# KiCad board cell-sim.kicad_pcb (continued)
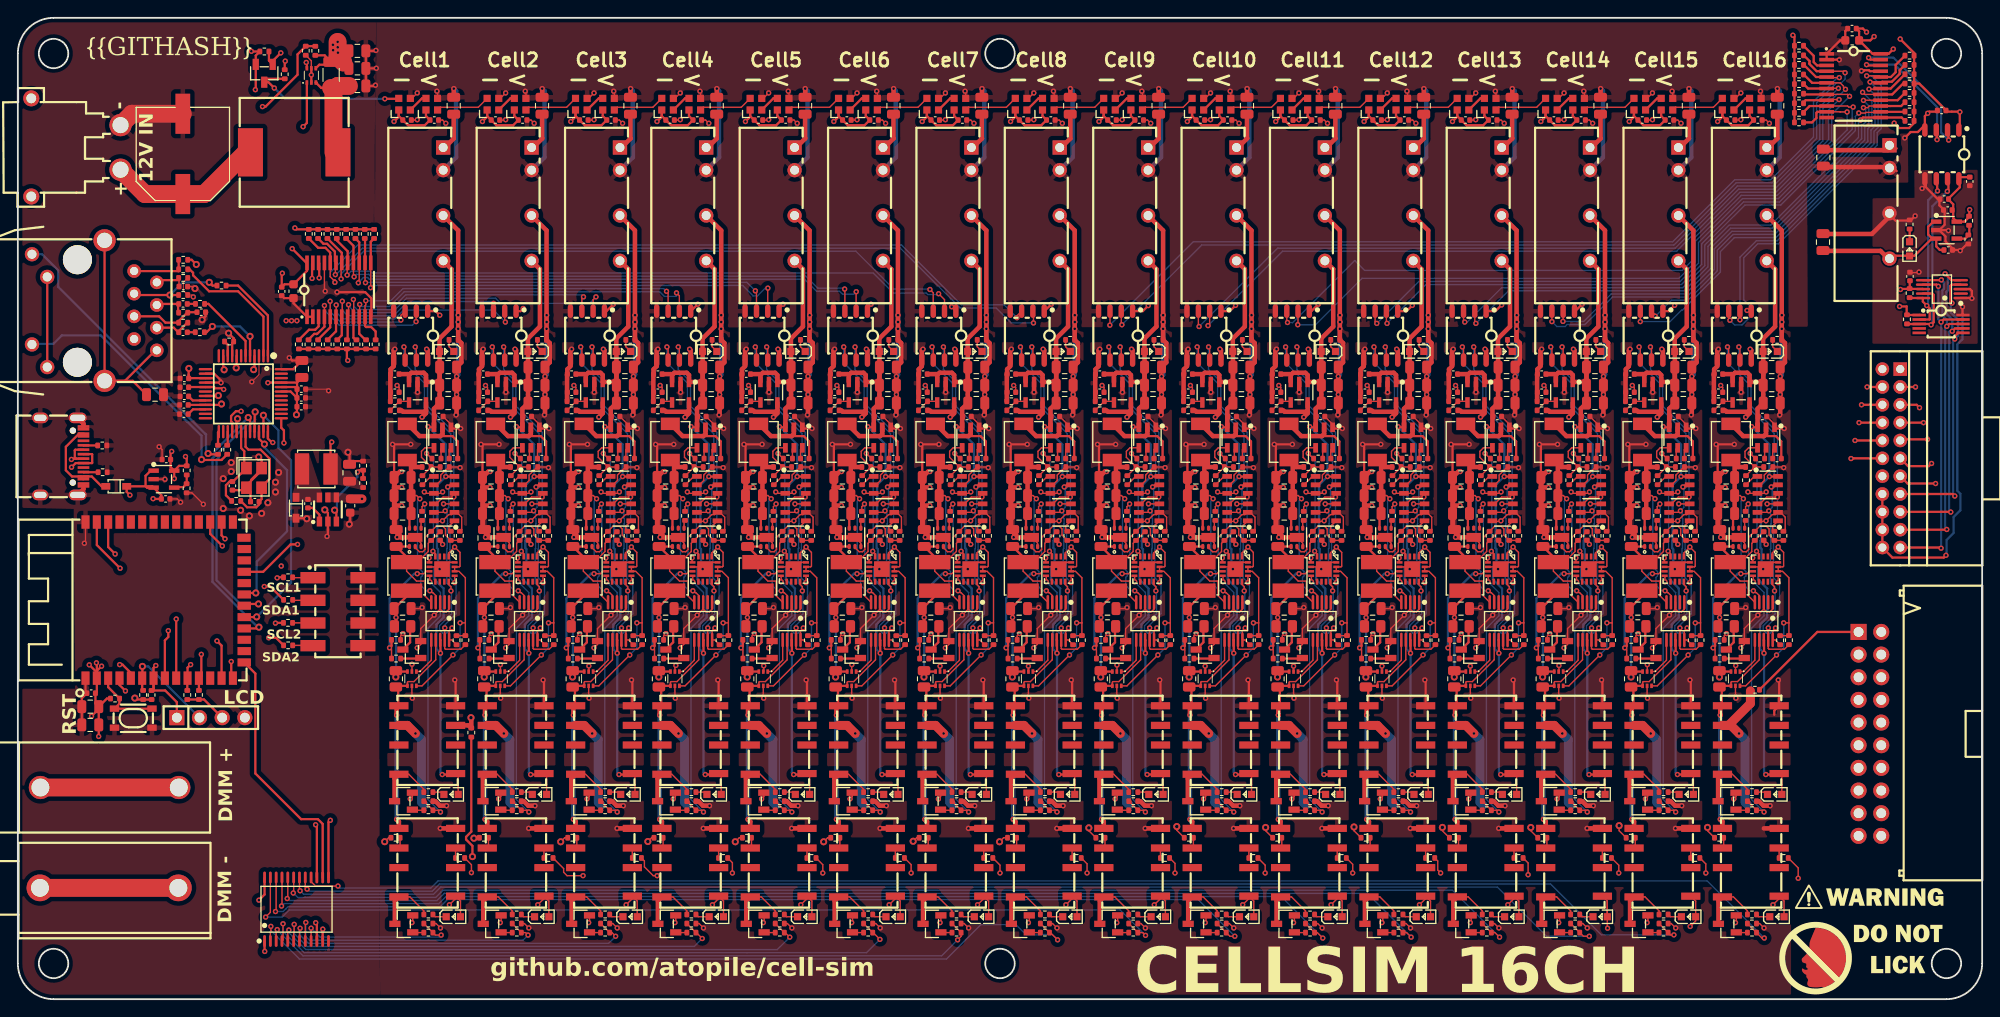
[diagram p0: board, top side]
## Routing (per net, layer and track width the routed paths; a pad name or vN(x,y) marks a point on that pad's centre or on a via; arc(x,y) is an arc through that point) (continued)
  Bottom w0.25: v2(42.35,42.78) 42.35,36.13 v1(42.33,36.11)
  Bottom w0.5: v2(59.22,76.67) 59.22,69.99 v2(59.04,69.81)
  vias: v2(59.21,75.14)
CELL1_GND: length 108.8
  Top w0.15: U24.2 46.87,57.65 47.36,58.14 47.36,58.75 48.26,59.65 R72.2 49.46,59.65 v2(49.53,59.58) ; v2(44.14,37.54) 44.14,36.73 U28.2 ; v2(47.24,48.21) 47.65,48.21 48.4,48.96 U31.16 48.26,48.96 U31.17 47.26,48.46 U31.6 ; C45.2 48.51,64.44 U25.1 ; v2(43.13,40.98) 42.87,40.72 R86.2 ; U23.1 48.3,43.73 47.98,43.4 47.63,43.4 47.3,43.73 U23.3 47.3,43.72 v2(46.63,43.05) 45.12,41.54 Q3.2 45.12,39.77 v2(44.73,39.38) ; v2(47.57,50.98) 47.3,51.25 47.3,51.44 ; C42.2 v2(49.14,69.81) ; v2(44.18,33.74) 44.13,33.78 U28.5 ; v2(42.48,51.78) 42.37,51.88 C51.2 42.37,58.25 C48.2 42.33,58.48 ; 42.37,55.33 42.14,55.1 C47.2 ; v2(45.27,43.9) 45.15,43.78 C52.2 ; C44.2 49.14,67.78 v2(49.14,67.78) ; U27.7 45.16,51.11 U27.3 ; U26.6 46.6,53.61 46.54,53.55 47.49,53.55 v2(47.56,53.62) 48.25,54.32 48.57,54.32 48.83,54.57 U26.2 49.17,54.57 49.71,54.03 49.71,52.65 R76.2 ; C46.2 42.14,56.52 ; v2(43.95,22.45) 44.19,22.69 Q1.2 ; 49.14,65.55 v2(49.08,65.49)
  Top w0.25: v2(48.93,35.78) 49.03,35.69 U29.4 ; U25.1 48.64,63.97 v2(49.59,63.97) ; C48.2 42.14,62.02 v2(41.97,62.19) v2(44,62.19)
  Top w0.5: C48.2 42.14,52.61 42.99,51.76 ; v2(42.22,72.86) 42.09,72.73 U32.5 42.09,70.95 41.74,70.6 C55.2 41.71,70.03 R91.2 ; 42.99,51.76 U27.7 ; 42.99,51.76 42.49,51.76 v2(42.48,51.78) ; U30.4 v2(47.31,19.14) ; v2(42.99,59.14) 42.8,59.14 42.33,58.67 42.33,58.48 ; v2(48.01,21.68) 47.27,21.68 46.76,22.19 R81.2 ; 49.32,76.67 49.32,86.17 U22.4 ; 49.32,76.67 v2(49.32,76.67) ; 49.32,76.67 49.32,75.91 ; v2(42.99,57.36) 42.14,57.36 42.14,56.52 ; U35.2 v2(44.76,68.03) ; 49.32,75.91 v2(49.32,75.91) ; 49.32,75.91 R69.2 49.68,73.54 49.68,71.38 C42.2 ; 42.37,55.33 v2(42.99,55.33) ; v2(49.14,69.81) v2(49.14,67.78) C43.2 49.14,65.55
  In1.Cu w0.15: v2(44.18,33.74) 44.14,33.77
  In1.Cu w1: 44.14,33.77 v2(44.14,37.54)
  Bottom w0.5: v2(49.32,76.67) 49.32,69.99 v2(49.14,69.81)
  vias: v2(49.32,75.14)
CELL1_I2C_SCL: length 44.2
  Top w0.15: U32.6 43.37,72.98 v2(43.24,73.11) ; R89.1 48.59,40.27 U23.10 48.3,41.29 v2(48.62,41.61) ; U26.5 47.69,54.57 v2(47.86,54.74) ; v2(48.14,57.41) 48.38,57.65 U24.5 ; U31.12 48.26,46.49 48.51,46.24 v2(48.51,45.76)
  Bottom w0.15: v2(48.62,41.61) 48.05,41.04 47.57,41.04 47.24,41.38 47.24,41.85 48.57,43.19 48.57,45.7 v2(48.51,45.76) 48.51,46.17 48.04,46.64 48.04,50.48 48.09,50.53 48.09,53.27 48.13,53.31 48.13,53.86 48.07,53.93 48.07,54.54 v2(47.86,54.74) 48.25,55.13 48.25,57.14 48.48,57.36 48.48,63.39 45.53,66.35 45.53,69.05 43.24,71.33 v2(43.24,73.11)
CELL1_I2C_SDA: length 44
  Top w0.15: v2(48.92,46.7) U31.13 ; v2(48.83,56.28) 47.63,56.28 46.87,55.52 U26.4 ; R88.1 49.61,39.23 47.88,39.23 47.8,39.31 U23.9 47.8,41.61 v2(47.81,41.62) ; v2(44.51,73.11) 44.63,72.99 U32.7
  Bottom w0.15: v2(47.81,41.62) 47.81,41.93 49.08,43.2 49.08,46.53 v2(48.92,46.7) 48.39,47.23 48.39,50.4 48.39,50.41 48.39,53.15 48.83,53.58 v2(48.83,56.28) 48.83,63.54 45.88,66.49 45.88,69.21 44.51,70.57 v2(44.51,73.11)
CELL1_LDO_ENABLE: length 7.7
  Top w0.15: v2(45.56,55.51) 45.27,55.21 R77.1 ; v2(46.06,49.46) 46.06,49 U31.5
  Bottom w0.15: v2(45.56,55.51) 45.59,55.48 45.59,49.93 v2(46.06,49.46)
CELL1_LDO_POWER_OUT_VCC: length 15.6
  Top w0.15: 47.3,52.4 47.26,52.4 R75.1 45.96,51.1 45.96,50.18 44.77,48.99 L4.1 43.54,47.97 44.65,46.87 45.56,46.87 45.56,45.23 U23.5
  Top w0.25: U27.1 42.38,50.73 C51.1 43.55,49.56 43.55,48.99
CELL1_OUTPUT_RELAY_CONTROL: length 30.4
  Top w0.15: R80.1 47.14,21.18 v2(47.33,20.98) ; U31.8 46.13,47.43 v2(46.13,46.78) ; 45.72,22.19 45.72,21.94 46.49,21.18
  Bottom w0.15: v2(46.13,46.78) 47.33,45.58 47.33,42.98 45.93,41.58 45.93,22.38 v2(47.33,20.98)
cell2-led_data: length 6.1
  Top w0.15: U47.2 57.21,99.97 61.46,99.97 U62.4
cell2-vcc: length 219.4
  Top w0.25: v2(214.33,60.05) 214.04,59.75 211.7,59.75 U247.11
  Top w1: v2(54.43,29.78) 53.52,30.69 U43.6
  In1.Cu w0.25: 205.5,22.05 205.52,22.07 207.38,22.07 U246.16
  In1.Cu w0.5: 205.5,22.05 203.74,22.05 194.44,12.75 71.46,12.75 v2(54.43,29.78)
  In2.Cu w0.25: v2(214.33,60.05) 214.16,59.87 214.16,48.93 212.18,46.94 212.18,26.86 U246.16
  Bottom w1: 55.43,21.75 55.11,22.08 55.11,29.11 v2(54.43,29.78)
cell2.buck.ctrl_resistor-vfb: length 6.2
  Top w0.15: R96.2 56.18,59.65 R95.2 ; R96.2 R97.1 ; R96.2 55.1,60.73 55.1,61.41 55.49,61.8 U39.4
cell2.buck.dac-vout: length 1.7
  Top w0.15: U38.1 56.15,58.6 R95.1
cell2.buck.regulator-en: length 1.3
  Top w0.15: R98.2 57.3,61.64 U39.5
cell2.buck.regulator-sw: length 9.5
  Top w0.25: 57.22,63.12 58.56,63.12 59.16,62.52 C65.2
  Top w0.5: L5.1 54.89,63.12 57.22,63.12 57.46,63.35 U39.2
cell2.buck.regulator-vbst: length 1.3
  Top w0.15: U39.6 58.2,61.6 C65.1
cell2.dmm_relay-gnd: length 1.1
  Top w0.15: U44.3 58.92,16.94 R118.1
cell2.dmm_relay-vcc: length 1.2
  Top w0.15: U44.6 52.71,17.08 R117.1
cell2.dmm_relay.fet-gate: length 1.3
  Top w0.15: R108.2 54.16,7.46 Q5.1
cell2.dmm_relay.indicator_led.resistor-cathode: length 1.6
  Top w0.15: R107.1 56.64,9.24 LED7.1
cell2.dmm_relay.relay-gnd: length 7.1
  Top w0.15: U44.8 53.8,11.46 55.37,9.9 R107.2
  Top w0.5: Q5.3 52.13,11.01 U44.8
cell2.gpio-p4: length 13.5
  Top w0.15: v2(54.63,47.69) 55.34,47.69 55.61,47.96 U45.7 ; v2(51.53,39.38) 51.75,39.16 R110.1
  Top w0.25: v2(51.53,39.38) 51.75,39.6 R111.1
  Bottom w0.25: v2(51.53,39.38) 51.53,44.92 54.3,47.69 v2(54.63,47.69)
cell2.internal_ldo.feedback_div-out: length 2.6
  Top w0.15: R115.2 52.63,67.02 R116.1 53.58,67.02 U49.4
cell2.isolated_converter.led.resistor-cathode: length 1.5
  Top w0.15: LED5.1 58.19,73.13 R94.1
cell2.ldo.ctrl_resistor-fb: length 8.5
  Top w0.15: 54.41,50.56 U41.2 54.41,50.61 54.86,50.15 55.25,50.15 55.51,50.42 55.51,51.77 R100.2 56.79,53.05 57.46,53.05 57.79,52.71 57.79,52.02 R99.2 ; 59.19,51.43 58.18,51.43
cell2.ldo.dac-vout: length 1.4
  Top w0.15: U40.1 58.18,53 58.18,52.44
cell2.ldo.regulator-en: length 0.9
  Top w0.15: U41.4 55.06,53.56 R102.2
cell2.load_switch.fet-gate: length 2.3
  Top w0.25: R110.2 54.96,38.18 Q6.1
cell2.load_switch.fet-n: length 3
  Top w0.25: Q6.3 53.83,40 53.83,41.72 R112.2
cell2.output_relay.fet-gate: length 1.6
  Top w0.15: Q4.1 54.15,21.18 55.62,21.18
cell2.output_relay.indicator_led.resistor-cathode: length 1.3
  Top w0.15: LED6.1 57.36,23.21 R104.1
cell2.output_relay.relay-gnd: length 7
  Top w0.15: R104.2 55.37,23.53 53.69,25.21 U43.8
  Top w0.5: U43.8 52.09,24.72 Q4.3
cell2.voltage_led.ic-vcc: length 2.3
  Top w0.25: U48.2 55.16,100.97 U47.4
CELL2_3V3_VCC: length 34.1
  Top w0.15: R114.2 60.01,40.74 R113.2 60.02,42.18 ; v2(57.47,56.86) 57.32,56.7 U38.3 55.58,56.7 v2(55.42,56.86) ; U40.3 57.58,55.52 v2(57.58,55.52) ; v2(59.43,42.18) 60.02,42.18 ; 60.02,42.18 60.02,47.24 59.3,47.96 U45.14 U45.15 59.34,48.46 59.42,48.54 59.42,50.08 v2(58.82,50.69) 58.16,50.03 U45.1 ; U42.6 55.17,35.12 v2(58.63,38.58) ; C72.1 52.6,68.57 v2(52.38,68.79)
  Top w0.5: 55.61,66 55.45,65.84 53.04,65.84 52.88,66 ; 55.61,66 U49.5 ; 55.61,66 55.61,65.68 v2(55.17,65.24) ; U46.8 55.8,72.74 v2(55.68,72.86)
  Bottom w0.15: v2(59.43,42.18) 59.43,39.38 v2(58.63,38.58)
CELL2_5V_VCC: length 77.2
  Top w0.15: 57.14,70.85 C58.1 ; U43.1 59.22,25 LED6.2
  Top w0.25: v2(57.83,58.58) 58.78,58.58 U38.6 ; v2(55.83,64.18) 55.91,64.1 U39.3 56.51,65.25 C61.1 ; U43.1 58.82,25.18 v2(57.43,25.18) ; U37.8 57.23,40.24 v2(57.23,38.78)
  Top w0.5: U39.3 56.51,66.19 C59.1 57.14,70.06 ; 57.14,70.06 57.14,72.59 LED5.2 57.13,74.05 58.47,75.4 58.47,81.83 U36.6 ; 57.14,70.06 57.14,68.83 C60.1 56.78,69.18 U49.1 55.61,69.96 55.36,70.21 53.97,70.21 53.71,69.96 ; 53.71,69.96 53.6,70.06 52.86,70.06 ; 53.71,69.96 U49.3
  Bottom w0.25: v2(57.43,25.18) 57.23,25.38 v2(57.23,38.78) 56.78,39.23 56.78,42 57.58,42.79 57.58,46.03 56.56,47.05 56.56,48.45 56.96,48.85 56.96,50.44 56.83,50.58 56.83,51.38 56.88,51.43 56.88,57.63 v2(57.83,58.58) 57.83,62.18 v2(55.83,64.18)
CELL2_BUCK_ENABLE: length 12.8
  Top w0.15: U45.4 56.66,49.94 v2(56.39,50.21) ; v2(55.68,61.17) 56.25,60.6 R98.1
  Bottom w0.15: v2(55.68,61.17) 56.44,60.41 56.44,50.26 v2(56.39,50.21)
CELL2_BUCK_POWER_OUT_VCC: length 24.3
  Top w0.15: C62.1 54.55,56.45 v2(54.92,56.09) ; v2(56.04,45.78) 56.09,45.78 56.29,45.57 56.37,45.57 56.7,45.24 U37.4
  Top w0.25: 54.08,58.63 C64.1 ; C63.1 53.76,54.25 U41.6
  Top w0.5: R96.1 54.3,59.65 L5.2 53.94,60.01 C63.1
  Bottom w0.15: v2(54.92,56.09) 54.66,55.84 54.66,48.35 54.75,48.27 54.87,48.27 55.21,47.93 55.21,47.45 55.03,47.28 55.03,46.38 55.63,45.78 v2(56.04,45.78)
CELL2_CURRENT_SENSE_OUTPUT: length 4.5
  Top w0.15: U42.1 54.93,36.72 56.2,37.99 U37.6
CELL2_CURRENT_SENSE_POWER_OUT_VCC: length 24.3
  Top w0.15: U42.4 53.53,35.52 53.61,35.6 54.26,35.6 56.7,38.04 U37.7
  Top w0.25: 52.25,35 52.5,34.75 52.5,32.89 ; U42.4 52.36,35.12 R103.2
  Top w0.5: v2(52.32,31.84) 52.32,32.64 U43.5 ; v2(52.32,20.16) 52.58,19.91 U44.5
  Bottom w0.5: v2(52.32,20.16) v2(52.32,31.84)
CELL2_DMM_RELAY_CONTROL: length 31.3
  Top w0.15: R109.1 55.37,8.48 R108.1 56.87,7.46 v2(57.14,7.19) ; U16.8 32.19,8.54 v2(32.25,8.6)
  Bottom w0.15: v2(32.25,8.6) 32.25,7.03 32.68,6.61 56.57,6.61 v2(57.14,7.19)
CELL2_FILTER_POWER_OUT_VCC: length 134.3
  Top w0.15: R126.2 69.51,52.65 69.51,54.03 68.97,54.57 U54.2 68.62,54.57 68.37,54.32 68.05,54.32 67.36,53.62 v2(67.35,53.62) 67.29,53.55 66.34,53.55 66.4,53.61 U54.6 ; U55.3 64.96,51.11 U55.7 ; v2(62.93,40.98) 62.67,40.72 R136.2 ; v2(62.27,51.78) 62.17,51.88 C83.2 62.17,58.25 C80.2 62.12,58.48 ; 62.17,55.33 61.94,55.1 C79.2 ; v2(63.95,37.35) 63.95,36.74 U56.2 ; 67.1,51.44 67.1,51.25 v2(67.37,50.98) ; U51.1 68.1,43.73 67.77,43.4 67.43,43.4 67.1,43.73 U51.3 67.1,43.72 v2(66.43,43.05) 64.92,41.54 Q9.2 64.92,39.77 v2(64.53,39.38) ; v2(69.33,59.58) 69.26,59.65 R122.2 68.06,59.65 67.16,58.75 67.16,58.14 66.67,57.65 U52.2 ; 68.94,65.55 v2(68.88,65.49) ; v2(67.03,48.21) 67.45,48.21 68.2,48.96 U59.16 68.06,48.96 U59.17 67.06,48.46 U59.6 ; v2(68.94,67.78) 68.94,67.78 C76.2 ; v2(63.98,33.74) 63.93,33.78 U56.5 ; C78.2 61.94,56.52 ; C84.2 64.94,43.78 v2(65.07,43.9) ; U53.1 68.3,64.44 C77.2 ; Q7.2 63.99,22.69 v2(63.74,22.45) ; C74.2 v2(68.94,69.81)
  Top w0.25: U57.4 68.82,35.69 v2(68.73,35.78) ; C80.2 61.94,62.02 v2(61.77,62.19) v2(63.8,62.19) ; 52.25,42.02 v2(52.25,42.78) 52.25,43.58 52.05,43.78 53.45,45.18 53.45,45.79 ; v2(69.39,63.97) 68.44,63.97 U53.1 ; U42.3 52.34,36.72 R103.1 52.24,36.11 v1(52.23,36.11)
  Top w0.5: U63.2 v2(64.56,68.03) ; U55.7 62.78,51.76 ; 62.78,51.76 62.29,51.76 v2(62.27,51.78) ; 62.78,51.76 61.94,52.61 C80.2 ; 62.17,55.33 v2(62.78,55.33) ; v2(62.78,59.14) 62.59,59.14 62.12,58.67 62.12,58.48 ; v2(68.94,69.81) v2(68.94,67.78) C75.2 68.94,65.55 ; 69.11,75.91 v2(69.12,75.91) ; 69.11,75.91 R119.2 69.47,73.54 69.47,71.38 C74.2 ; 69.11,75.91 69.11,76.67 ; v2(67.81,21.68) 67.06,21.68 66.56,22.19 R131.2 ; 69.11,76.67 v2(69.12,76.67) ; 69.11,76.67 69.11,86.17 U50.4 ; R141.2 61.51,70.03 C87.2 61.54,70.6 61.89,70.95 U60.5 61.89,72.73 v2(62.02,72.86) ; 61.94,56.52 61.94,57.36 v2(62.78,57.36) ; U58.4 v2(67.11,19.14)
  In1.Cu w0.15: v2(63.98,33.74) 63.95,33.76
  In1.Cu w1: 63.95,33.76 v2(63.95,37.35)
  In2.Cu w0.25: v1(52.23,36.11) 53.18,35.16 62.56,35.16 v2(63.98,33.74)
  Bottom w0.25: v1(52.23,36.11) 52.25,36.13 v2(52.25,42.78)
  Bottom w0.5: v2(68.94,69.81) 69.12,69.99 v2(69.12,76.67)
  vias: v2(69.11,75.14)
CELL2_I2C_SCL: length 44.2
  Top w0.15: v2(58.41,45.76) 58.41,46.24 58.16,46.49 U45.12 ; v2(57.76,54.74) 57.59,54.57 U40.5 ; v2(58.52,41.61) 58.2,41.29 U37.10 58.49,40.27 R114.1 ; v2(58.04,57.41) 58.28,57.65 U38.5 ; U46.6 53.27,72.98 v2(53.14,73.11)
  Bottom w0.15: v2(53.14,73.11) 53.14,71.33 55.42,69.05 55.42,66.35 58.38,63.39 58.38,57.36 58.15,57.14 58.15,55.13 v2(57.76,54.74) 57.96,54.54 57.96,53.93 58.03,53.86 58.03,53.31 57.99,53.27 57.99,50.53 57.94,50.48 57.94,46.64 58.4,46.17 58.4,45.76 v2(58.41,45.76) 58.47,45.7 58.47,43.19 57.13,41.85 57.13,41.38 57.47,41.04 57.95,41.04 v2(58.52,41.61)
CELL2_I2C_SDA: length 44
  Top w0.15: v2(58.82,46.7) U45.13 ; U40.4 56.77,55.52 57.53,56.28 v2(58.73,56.28) ; v2(57.71,41.62) 57.7,41.61 U37.9 57.7,39.31 57.78,39.23 59.51,39.23 R113.1 ; v2(54.41,73.11) 54.53,72.99 U46.7
  Bottom w0.15: v2(57.71,41.62) 57.71,41.93 58.98,43.2 58.98,46.53 v2(58.82,46.7) 58.29,47.23 58.29,50.4 58.29,50.41 58.29,53.15 58.73,53.58 v2(58.73,56.28) 58.73,63.54 55.77,66.49 55.77,69.21 54.41,70.57 v2(54.41,73.11)
CELL2_LDO_ENABLE: length 7.7
  Top w0.15: v2(55.96,49.46) 55.96,49 U45.5 ; v2(55.46,55.51) 55.16,55.21 R102.1
  Bottom w0.15: v2(55.96,49.46) 55.49,49.93 55.49,55.48 v2(55.46,55.51)
CELL2_LDO_POWER_OUT_VCC: length 15.6
  Top w0.15: U37.5 55.46,45.23 55.46,46.87 54.55,46.87 53.44,47.97 L6.1 54.67,48.99 55.86,50.18 55.86,51.1 R100.1 57.16,52.4 57.2,52.4
  Top w0.25: 53.45,48.99 53.45,49.56 C67.1 52.28,50.73 U41.1
CELL2_OUTPUT_RELAY_CONTROL: length 30.4
  Top w0.15: R105.1 57.04,21.18 v2(57.23,20.98) ; U45.8 56.03,47.43 v2(56.03,46.78) ; 55.62,22.19 55.62,21.94 56.39,21.18
  Bottom w0.15: v2(57.23,20.98) 55.83,22.38 55.83,41.58 57.23,42.98 57.23,45.58 v2(56.03,46.78)
cell3-led_data: length 5.9
  Top w0.15: U61.2 67.11,99.97 71.12,99.97 U76.4
cell3-vcc: length 207
  Top w0.25: v2(205.76,62.62) U247.10
  Top w1: U57.6 63.42,30.69 v2(64.33,29.78)
  In1.Cu w0.5: U246.15 204.08,23.38 195.59,14.89 79.26,14.89 68.61,25.54 68.56,25.54 64.33,29.77
  In1.Cu w1: v2(64.33,29.78) 64.33,29.77
  In2.Cu w0.25: U246.15 203.13,26.41 203.13,43.38 205.94,46.19 205.94,62.45 v2(205.76,62.62)
  Bottom w1: v2(64.33,29.78) 65,29.11 65,22.08 65.33,21.75
cell3.buck.ctrl_resistor-vfb: length 6.2
  Top w0.15: U53.4 65.39,61.8 65,61.41 65,60.73 R121.2 ; R121.2 66.08,59.65 R120.2 ; R121.2 R122.1
cell3.buck.dac-vout: length 1.7
  Top w0.15: U52.1 66.05,58.6 R120.1
cell3.buck.regulator-en: length 1.3
  Top w0.15: U53.5 67.2,61.64 R123.2
cell3.buck.regulator-sw: length 9.5
  Top w0.25: 67.12,63.12 68.46,63.12 69.06,62.52 C81.2
  Top w0.5: L7.1 64.79,63.12 67.12,63.12 67.35,63.35 U53.2
cell3.buck.regulator-vbst: length 1.3
  Top w0.15: C81.1 68.1,61.6 U53.6
cell3.dmm_relay-gnd: length 1.1
  Top w0.15: U58.3 68.82,16.94 R143.1
cell3.dmm_relay-vcc: length 1.2
  Top w0.15: R142.1 62.61,17.08 U58.6
cell3.dmm_relay.fet-gate: length 1.3
  Top w0.15: R133.2 64.06,7.46 Q8.1
cell3.dmm_relay.indicator_led.resistor-cathode: length 1.6
  Top w0.15: LED10.1 66.54,9.24 R132.1
cell3.dmm_relay.relay-gnd: length 7.1
  Top w0.15: R132.2 65.27,9.9 63.7,11.46 U58.8
  Top w0.5: Q8.3 62.02,11.01 U58.8
cell3.gpio-p4: length 13.5
  Top w0.15: v2(61.43,39.38) 61.65,39.16 R135.1 ; v2(64.53,47.69) 65.24,47.69 65.51,47.96 U59.7
  Top w0.25: v2(61.43,39.38) 61.65,39.6 R136.1
  Bottom w0.25: v2(61.43,39.38) 61.43,44.92 64.19,47.69 v2(64.53,47.69)
cell3.internal_ldo.feedback_div-out: length 2.6
  Top w0.15: R140.2 62.53,67.02 R141.1 63.48,67.02 U63.4
cell3.isolated_converter.led.resistor-cathode: length 1.5
  Top w0.15: LED8.1 68.09,73.13 R119.1
cell3.ldo.ctrl_resistor-fb: length 8.5
  Top w0.15: 69.09,51.43 68.08,51.43 ; R124.2 67.69,52.02 67.69,52.71 67.35,53.05 66.69,53.05 R125.2 65.41,51.77 65.41,50.42 65.14,50.15 64.76,50.15 64.31,50.61 U55.2 64.31,50.56
cell3.ldo.dac-vout: length 1.4
  Top w0.15: U54.1 68.08,53 68.08,52.44
cell3.ldo.regulator-en: length 0.9
  Top w0.15: U55.4 64.96,53.56 R127.2
cell3.load_switch.fet-gate: length 2.3
  Top w0.25: Q9.1 64.86,38.18 R135.2
cell3.load_switch.fet-n: length 3
  Top w0.25: R137.2 63.73,41.72 63.73,40 Q9.3
cell3.output_relay.fet-gate: length 1.6
  Top w0.15: Q7.1 64.05,21.18 65.52,21.18
cell3.output_relay.indicator_led.resistor-cathode: length 1.3
  Top w0.15: R129.1 67.26,23.21 LED9.1
cell3.output_relay.relay-gnd: length 7
  Top w0.15: R129.2 65.27,23.53 63.58,25.21 U57.8
  Top w0.5: U57.8 61.99,24.72 Q7.3
cell3.voltage_led.ic-vcc: length 2.3
  Top w0.25: U61.4 65.06,100.97 U62.2
CELL3_3V3_VCC: length 34.1
  Top w0.15: U54.3 67.48,55.52 v2(67.47,55.52) ; 69.92,42.18 R138.2 69.91,40.74 R139.2 ; 69.92,42.18 69.92,47.24 69.2,47.96 U59.14 U59.15 69.24,48.46 69.32,48.54 69.32,50.08 v2(68.72,50.69) 68.06,50.03 U59.1 ; 69.92,42.18 v2(69.33,42.18) ; v2(62.27,68.79) 62.5,68.57 C88.1 ; v2(65.32,56.86) 65.48,56.7 U52.3 67.21,56.7 v2(67.37,56.86) ; v2(68.53,38.58) 65.07,35.12 U56.6
  Top w0.5: v2(65.07,65.24) 65.51,65.68 65.51,66 ; 65.51,66 U63.5 ; 65.51,66 65.35,65.84 62.94,65.84 62.78,66 ; v2(65.58,72.86) 65.7,72.74 U60.8
  Bottom w0.15: v2(68.53,38.58) 69.33,39.38 v2(69.33,42.18)
CELL3_5V_VCC: length 77.2
  Top w0.15: 67.04,70.85 C74.1 ; LED9.2 69.12,25 U57.1
  Top w0.25: C77.1 66.4,65.25 U53.3 65.81,64.1 v2(65.73,64.18) ; U52.6 68.68,58.58 v2(67.73,58.58) ; U57.1 68.71,25.18 v2(67.33,25.18) ; U51.8 67.13,40.24 v2(67.13,38.78)
  Top w0.5: 67.04,70.06 67.04,68.83 C76.1 66.68,69.18 U63.1 65.51,69.96 65.26,70.21 63.87,70.21 63.61,69.96 ; 67.04,70.06 C75.1 66.4,66.19 U53.3 ; 67.04,70.06 67.04,72.59 LED8.2 67.02,74.05 68.37,75.4 68.37,81.83 U50.6 ; 63.61,69.96 U63.3 ; 63.61,69.96 63.5,70.06 62.75,70.06
  Bottom w0.25: v2(65.73,64.18) 67.73,62.18 v2(67.73,58.58) 66.78,57.63 66.78,51.43 66.73,51.38 66.73,50.58 66.86,50.44 66.86,48.85 66.46,48.45 66.46,47.05 67.48,46.03 67.48,42.79 66.68,42 66.68,39.23 v2(67.13,38.78) 67.13,25.38 v2(67.33,25.18)
CELL3_BUCK_ENABLE: length 12.8
  Top w0.15: U59.4 66.56,49.94 v2(66.29,50.21) ; v2(65.58,61.17) 66.15,60.6 R123.1
  Bottom w0.15: v2(66.29,50.21) 66.34,50.26 66.34,60.41 v2(65.58,61.17)
CELL3_BUCK_POWER_OUT_VCC: length 24.3
  Top w0.15: U51.4 66.6,45.24 66.27,45.57 66.19,45.57 65.99,45.78 v2(65.94,45.78) ; C78.1 64.45,56.45 v2(64.81,56.09)
  Top w0.25: U55.6 63.66,54.25 C79.1 ; 63.98,58.63 C80.1
  Top w0.5: C79.1 63.84,60.01 L7.2 64.2,59.65 R121.1
  Bottom w0.15: v2(64.81,56.09) 64.56,55.84 64.56,48.35 64.64,48.27 64.77,48.27 65.1,47.93 65.1,47.45 64.93,47.28 64.93,46.38 65.53,45.78 v2(65.94,45.78)
CELL3_CURRENT_SENSE_OUTPUT: length 4.5
  Top w0.15: U56.1 64.83,36.72 66.1,37.99 U51.6
CELL3_CURRENT_SENSE_POWER_OUT_VCC: length 24.3
  Top w0.15: U56.4 63.43,35.52 63.5,35.6 64.15,35.6 66.6,38.04 U51.7
  Top w0.25: 62.15,35 62.4,34.75 62.4,32.89 ; U56.4 62.26,35.12 R128.2
  Top w0.5: v2(62.22,31.84) 62.22,32.64 U57.5 ; U58.5 62.47,19.91 v2(62.22,20.16)
  Bottom w0.5: v2(62.22,20.16) v2(62.22,31.84)
CELL3_DMM_RELAY_CONTROL: length 40.5
  Top w0.15: v2(31.62,7.94) 31.54,7.87 U16.7 ; v2(66.95,7.05) 66.54,7.46 R133.1 65.27,8.48 R134.1
  Bottom w0.15: v2(31.62,7.94) 31.62,7.17 32.53,6.26 66.16,6.26 v2(66.95,7.05)
CELL3_FILTER_POWER_OUT_VCC: length 134.3
  Top w0.15: 71.79,58.48 C96.2 71.83,58.25 C99.2 71.83,51.88 v2(71.93,51.78) ; 78.6,65.55 v2(78.54,65.49) ; v2(74.19,39.38) 74.58,39.77 Q12.2 74.58,41.54 v2(76.09,43.05) 76.76,43.72 U65.3 76.76,43.73 77.09,43.4 77.43,43.4 77.76,43.73 U65.1 ; U69.7 74.62,51.11 U69.3 ; U66.2 76.33,57.65 76.82,58.14 76.82,58.75 77.72,59.65 R147.2 78.92,59.65 v2(78.99,59.58) ; v2(74.73,43.9) 74.6,43.78 C100.2 ; v2(77.03,50.98) 76.76,51.25 76.76,51.44 ; U67.1 77.96,64.44 C93.2 ; U70.2 73.59,37.3 v2(73.7,37.41) ; U73.6 76.72,48.46 U73.17 77.72,48.96 U73.16 77.86,48.96 77.11,48.21 v2(76.69,48.21) ; v2(73.4,22.45) 73.65,22.69 Q10.2 ; U70.5 73.59,33.78 v2(73.64,33.74) ; R151.2 79.17,52.65 79.17,54.03 78.63,54.57 U68.2 78.28,54.57 78.03,54.32 77.71,54.32 77.02,53.62 v2(77.01,53.62) 76.95,53.55 76,53.55 76.06,53.61 U68.6 ; C90.2 v2(78.6,69.81) ; v2(72.59,40.98) 72.33,40.72 R161.2 ; 71.83,55.33 71.6,55.1 C95.2 ; C92.2 78.6,67.78 v2(78.6,67.78) ; C94.2 71.6,56.52
  Top w0.25: v1(62.13,36.11) 62.14,36.11 R128.1 62.23,36.72 U56.3 ; 63.35,45.79 63.35,45.18 61.95,43.78 62.15,43.58 v2(62.15,42.78) 62.15,42.02 ; U71.4 78.48,35.69 v2(78.39,35.78) ; C96.2 71.6,62.02 v2(71.43,62.19) v2(73.46,62.19) ; v2(79.05,63.97) 78.1,63.97 U67.1
  Top w0.5: v2(77.47,21.68) 76.72,21.68 76.22,22.19 R156.2 ; v2(78.6,69.81) v2(78.6,67.78) C91.2 78.6,65.55 ; 78.77,75.91 R144.2 79.13,73.54 79.13,71.38 C90.2 ; 78.77,75.91 78.77,76.67 ; 78.77,75.91 v2(78.78,75.91) ; 78.77,76.67 78.77,86.17 U64.4 ; 78.77,76.67 v2(78.78,76.67) ; v2(71.68,72.86) 71.55,72.73 U74.5 71.55,70.95 71.2,70.6 C103.2 71.17,70.03 R166.2 ; 72.44,51.76 71.6,52.61 C96.2 ; 72.44,51.76 71.95,51.76 v2(71.93,51.78) ; 72.44,51.76 U69.7 ; 71.83,55.33 v2(72.44,55.33) ; U77.2 v2(74.22,68.03) ; v2(72.44,57.36) 71.6,57.36 71.6,56.52 ; 71.79,58.48 71.79,58.67 72.25,59.14 v2(72.44,59.14) ; U72.4 v2(76.77,19.14)
  In1.Cu w0.15: 73.64,37.35 v2(73.7,37.41)
  In1.Cu w1: v2(73.64,33.74) 73.64,37.35
  In2.Cu w0.25: v2(73.64,33.74) 65.1,33.74 62.72,36.11 v1(62.13,36.11)
  Bottom w0.25: v1(62.13,36.11) 62.15,36.13 v2(62.15,42.78)
  Bottom w0.5: v2(78.6,69.81) 78.78,69.99 v2(78.78,76.67)
  vias: v2(78.77,75.14)
CELL3_I2C_SCL: length 44.2
  Top w0.15: U52.5 68.18,57.65 v2(67.94,57.41) ; v2(63.04,73.11) 63.17,72.98 U60.6 ; v2(68.3,45.76) 68.3,46.24 68.06,46.49 U59.12 ; v2(68.41,41.61) 68.1,41.29 U51.10 68.39,40.27 R139.1 ; v2(67.66,54.74) 67.49,54.57 U54.5
  Bottom w0.15: v2(68.41,41.61) 67.85,41.04 67.37,41.04 67.03,41.38 67.03,41.85 68.37,43.19 68.37,45.7 v2(68.3,45.76) 68.3,46.17 67.84,46.64 67.84,50.48 67.89,50.53 67.89,53.27 67.93,53.31 67.93,53.86 67.86,53.93 67.86,54.54 v2(67.66,54.74) 68.05,55.13 68.05,57.14 68.27,57.36 68.27,63.39 65.32,66.35 65.32,69.05 63.04,71.33 v2(63.04,73.11)
CELL3_I2C_SDA: length 44
  Top w0.15: U54.4 66.67,55.52 67.43,56.28 v2(68.62,56.28) ; v2(68.72,46.7) U59.13 ; U60.7 64.43,72.99 v2(64.31,73.11) ; v2(67.61,41.62) 67.6,41.61 U51.9 67.6,39.31 67.68,39.23 69.41,39.23 R138.1
  Bottom w0.15: v2(67.61,41.62) 67.61,41.93 68.88,43.2 68.88,46.53 v2(68.72,46.7) 68.19,47.23 68.19,50.4 68.19,50.41 68.19,53.15 68.62,53.58 v2(68.62,56.28) 68.62,63.54 65.67,66.49 65.67,69.21 64.31,70.57 v2(64.31,73.11)
CELL3_LDO_ENABLE: length 7.7
  Top w0.15: v2(65.86,49.46) 65.86,49 U59.5 ; R127.1 65.06,55.21 v2(65.36,55.51)
  Bottom w0.15: v2(65.86,49.46) 65.39,49.93 65.39,55.48 v2(65.36,55.51)
CELL3_LDO_POWER_OUT_VCC: length 15.6
  Top w0.15: 67.1,52.4 67.06,52.4 R125.1 65.76,51.1 65.76,50.18 64.57,48.99 L8.1 63.34,47.97 64.44,46.87 65.36,46.87 65.36,45.23 U51.5
  Top w0.25: 63.35,48.99 63.35,49.56 C83.1 62.18,50.73 U55.1
CELL3_OUTPUT_RELAY_CONTROL: length 30.4
  Top w0.15: 65.52,22.19 65.52,21.94 66.28,21.18 ; R130.1 66.93,21.18 v2(67.13,20.98) ; U59.8 65.93,47.43 v2(65.93,46.78)
  Bottom w0.15: v2(67.13,20.98) 65.73,22.38 65.73,41.58 67.13,42.98 67.13,45.58 v2(65.93,46.78)
cell4-led_data: length 6.1
  Top w0.15: U75.2 76.77,99.97 81.02,99.97 U90.4
cell4-vcc: length 197.6
  Top w0.25: v2(213.88,62.75) 210.8,62.75
  Top w1: v2(73.99,29.78) 73.08,30.69 U71.6
  In1.Cu w0.25: U246.14 207.38,24.61 205.16,24.61 205.15,24.6
  In1.Cu w0.5: v2(73.99,29.78) 74.52,29.78 88.71,15.59 195.3,15.59 204.32,24.61 205.16,24.61
  In2.Cu w0.25: v2(213.88,62.75) 213.71,62.57 213.71,49.11 211.73,47.13 211.73,28.95 U246.14
  Bottom w1: 74.99,21.75 74.66,22.08 74.66,29.11 v2(73.99,29.78)
cell4.buck.ctrl_resistor-vfb: length 6.2
  Top w0.15: U67.4 75.05,61.8 74.66,61.41 74.66,60.73 R146.2 ; R147.1 R146.2 ; R146.2 75.74,59.65 R145.2
cell4.buck.dac-vout: length 1.7
  Top w0.15: U66.1 75.71,58.6 R145.1
cell4.buck.regulator-en: length 1.3
  Top w0.15: R148.2 76.86,61.64 U67.5
cell4.buck.regulator-sw: length 9.5
  Top w0.25: C97.2 78.72,62.52 78.12,63.12 76.78,63.12
  Top w0.5: U67.2 77.01,63.35 76.78,63.12 74.45,63.12 L9.1
cell4.buck.regulator-vbst: length 1.3
  Top w0.15: U67.6 77.76,61.6 C97.1
cell4.dmm_relay-gnd: length 1.1
  Top w0.15: R168.1 78.48,16.94 U72.3
cell4.dmm_relay-vcc: length 1.2
  Top w0.15: R167.1 72.27,17.08 U72.6
cell4.dmm_relay.fet-gate: length 1.3
  Top w0.15: Q11.1 73.72,7.46 R158.2
cell4.dmm_relay.indicator_led.resistor-cathode: length 1.6
  Top w0.15: LED13.1 76.2,9.24 R157.1
cell4.dmm_relay.relay-gnd: length 7.1
  Top w0.15: R157.2 74.93,9.9 73.36,11.46 U72.8
  Top w0.5: Q11.3 71.68,11.01 U72.8
cell4.gpio-p4: length 13.5
  Top w0.15: R160.1 71.31,39.16 v2(71.09,39.38) ; v2(74.19,47.69) 74.9,47.69 75.17,47.96 U73.7
  Top w0.25: R161.1 71.31,39.6 v2(71.09,39.38)
  Bottom w0.25: v2(71.09,39.38) 71.09,44.92 73.85,47.69 v2(74.19,47.69)
cell4.internal_ldo.feedback_div-out: length 2.6
  Top w0.15: U77.4 73.14,67.02 R166.1 72.19,67.02 R165.2
cell4.isolated_converter.led.resistor-cathode: length 1.5
  Top w0.15: LED11.1 77.75,73.13 R144.1
cell4.ldo.ctrl_resistor-fb: length 8.5
  Top w0.15: 73.97,50.56 U69.2 73.97,50.61 74.42,50.15 74.81,50.15 75.07,50.42 75.07,51.77 R150.2 76.35,53.05 77.01,53.05 77.35,52.71 77.35,52.02 R149.2 ; 78.75,51.43 77.74,51.43
cell4.ldo.dac-vout: length 1.4
  Top w0.15: U68.1 77.74,53 77.74,52.44
cell4.ldo.regulator-en: length 0.9
  Top w0.15: U69.4 74.62,53.56 R152.2
cell4.load_switch.fet-gate: length 2.3
  Top w0.25: R160.2 74.52,38.18 Q12.1
cell4.load_switch.fet-n: length 3
  Top w0.25: R162.2 73.39,41.72 73.39,40 Q12.3
cell4.output_relay.fet-gate: length 1.6
  Top w0.15: Q10.1 73.71,21.18 75.18,21.18
cell4.output_relay.indicator_led.resistor-cathode: length 1.3
  Top w0.15: LED12.1 76.92,23.21 R154.1
cell4.output_relay.relay-gnd: length 7
  Top w0.15: R154.2 74.93,23.53 73.24,25.21 U71.8
  Top w0.5: U71.8 71.65,24.72 Q10.3
